# KiCad board Rogelio Pineda - connect 7 AMLDC-2044B.kicad_pcb (continued)
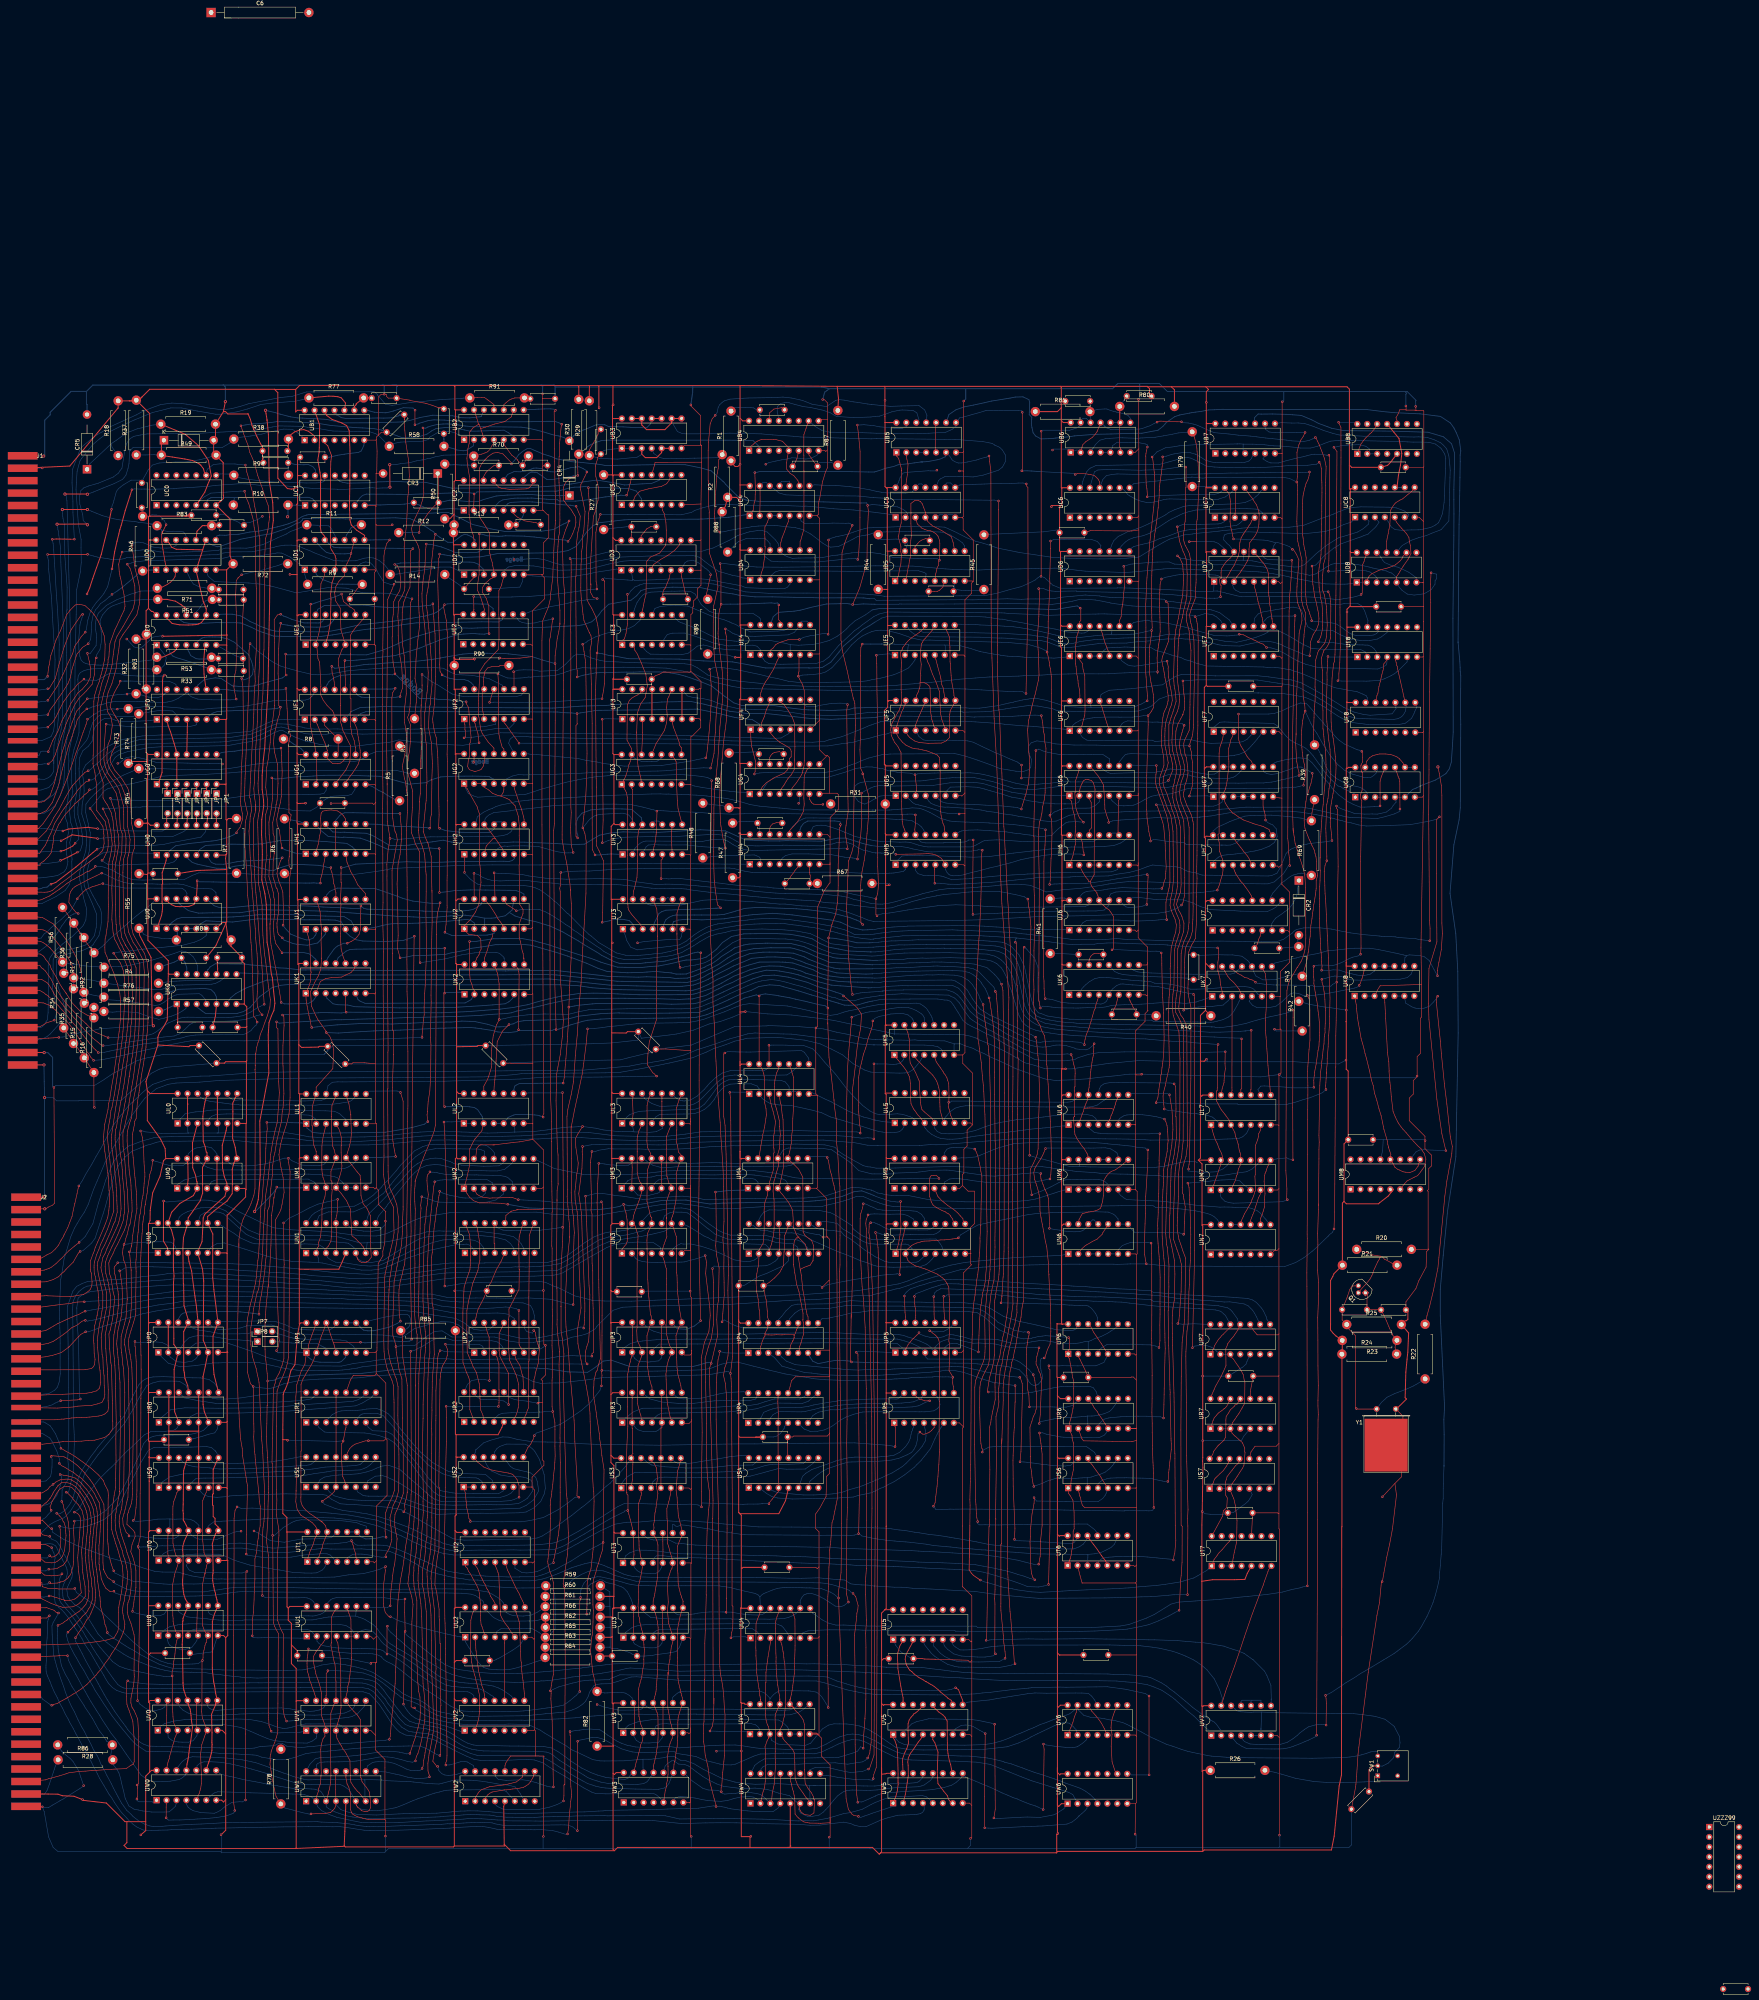
[diagram p0: board, top side]
## Routing (per net, layer and track width the routed paths; a pad name or vN(x,y) marks a point on that pad's centre or on a via; arc(x,y) is an arc through that point) (continued)
~{INTP OUT}: length 76.9
  Top w0.15: J1.95 79.98,242.47 80.42,242.54 82.39,242.65 ; 85.07,242.73 v1(84.97,242.83) 84.27,242.79 83.71,242.72 82.3,242.65
  Top w0.25: R55.1 105.58,269 108.53,263.25 108.86,246.13 109.13,245.85 ; 109.13,245.85 v2(109.13,245.8) 109.18,245.8 109.13,245.85 ; 115.15,268.24 115.23,268.24
  Bottom w0.15: v2(109.13,245.8) 108.91,246.03 108.22,245.84 107.14,245.75 106.24,245.68 104.8,245.67 95.54,245.05 93.77,244.64 90.65,244.14 88.44,243.49 86.02,242.92 84.97,242.89 v1(84.97,242.83) ; 113.12,268.1 114.65,268.1 R84.1 ; 113.12,268.1 111.94,268.13 111.18,268.14 107.93,268.64 106.7,269.16 105.57,270.68 R55.1 ; 113.12,268.1 113.3,268.1 115.15,268.24
  Bottom w0.2: 115.15,268.24 115.26,269.46 ; 115.26,269.46 UJ0.3 ; 115.26,269.46 115.26,267.96 R84.1
~{INTR}: length 152
  Top w0.15: v1(98.99,264.34) 99.74,263.18 100.7,261.85 101.43,259.93 101.72,258.01 101.74,255.52 101.88,253.62 101.74,251.09 101.65,249.53 101.45,245.46 101.35,244.27 101.23,242.82 100.9,240.45 100.5,236.88 100.29,236 100.17,234.8 99.64,231.14 99.15,228.12 98.92,226.96 98.58,225.02 98.29,224.18 98.07,222.22 97.88,221.24 97.43,218.63 97.34,217.66 97.64,214.85 98,211.69 98.31,207.89 98.84,203.24 99.02,198.51 97.9,195.21 97.39,193.8 96.76,192.36 96.21,191.09 95.64,189.95 95.21,188.66 94.64,187.35 94.04,185.37 93.99,184.6 93.98,184.15 94.02,182.6 94.31,181.68 94.79,178.85 95,178.02 95.12,176.31 ; J2.29 76.97,157.92 91.67,157.95 93.32,158.28 93.83,158.74 94.09,159.27 94.24,160.62 94.01,162.1 93.95,164.59 93.81,165.46 94.15,169.2 94.79,171.92 ; 94.74,171.78 95.25,174.41 95.11,176.51
  Bottom w0.15: 122.64,270.61 122.64,269.13 122.62,268.81 121.19,267.8 119.61,267.14 116.42,266.33 115.23,266.23 111.14,265.79 106.63,265.38 103.27,264.92 101.33,264.71 100.38,264.64 v1(98.99,264.34)
~{MSKO}: length 119.6
  Top w0.15: 93.92,325.27 93.92,328.71 94.15,330.28 94.76,332.34 95.34,333.77 95.6,335.06 95.81,335.57 96.07,336.67 96.2,337.13 96.64,339.22 96.71,339.55 96.81,343.14 96.58,345.37 96.29,346.15 95.78,347.5 94.97,349.3 93.94,350.91 92.81,352.09 ; v1(82.11,335.06) 82.37,337.36 82.52,338.01 82.93,340.38 83.41,341.72 84.25,344.3 85.41,346.72 86.96,350.78 87.87,351.98 ; 87.8,351.88 89.17,353.27 89.62,353.39 90.29,353.45 91.65,353.12 92.85,352.06 ; v1(96,288.04) 96.23,288.04 96.59,288.85 97.4,290.51 97.59,291.64 97.59,293.18 97.47,294.91 97.02,296.88 96.81,298 94.75,300.66 94.66,300.76 94.66,303.55 94.61,303.59 94.61,305.22 94.66,305.27 94.66,307.31 94.41,308.64 94.19,310.51 93.81,312.08 93.68,312.76 93.73,312.8 93.73,314.76 93.77,314.97 93.88,321.42 93.79,322.82 93.92,325.59
  Bottom w0.15: v1(82.11,335.06) 81.71,334.66 ; UH0.3 115.07,288.35 114.39,287.67 113.12,287.28 108.17,287.16 101.18,286.9 100.67,286.78 99.28,286.9 97.5,287.03 96.61,287.54 v1(96,288.04)
  Bottom w0.25: v1(82.11,335.06) 81.27,334.22 J1.38
~{REC DCH REQ}: length 61.9
  Top w0.15: UE1.9 160.59,350.92 160.59,351.95 159.57,352.71 159.28,352.78 158.39,353.63 157.73,354.12 v1(157.24,356.06) 157.2,356.03 ; 149.24,353.66 149.3,353.61 v1(149.35,353.5) 149.27,330.44 149.47,329.91 149.3,329.74 149.24,322.79 149.47,321.33 149.9,319.23 150.41,317.24 UG1.13 150.82,313.97 150.92,308.3 150.63,308.01 UG1.2
  Bottom w0.2: v1(157.24,356.06) 155.36,355.28 153.45,354.69 151.82,354.23 150.46,353.77 149.77,353.5 v1(149.35,353.5)
~{REC INT REQ}: length 51
  Bottom w0.2: 112.48,270.61 113.92,272.24 115.12,273.07 116.43,273.47 126.44,273.51 128.24,273.56 129.55,273.6 132.18,273.81 135.91,274.15 144.32,274.19 153.04,273.82 157.82,273.72 159.7,272.55 UJ1.6
~{RESET}: length 1318.4
  Top w0.15: UV6.13 344.94,70.46 344.49,69.33 344.08,67.9 343.58,66.62 UV6.1 ; 264.25,97.04 264.12,95.96 264.03,95.45 263.84,95.11 263.5,94.28 263.13,93.11 263.07,88.58 263.06,86.88 263.1,86.31 263.09,84.93 263.24,82.56 263.29,81.58 263.32,81.55 263.28,80.61 263.55,78.64 263.87,76.55 263.95,76.1 264.08,74.82 264.18,74.36 264.26,73.8 ; 281.45,246.64 281.76,237.8 282.31,233.26 283.05,226.74 ; 202.51,244.69 v1(202.45,244.79) 202.59,258.72 202.5,259.6 202.28,260.47 UK2.9 201.43,261.45 ; 154.75,337.65 v1(154.71,337.61) 154.79,336.1 155.18,334.55 155.46,332.89 UF1.11 ; 282.49,271.61 283.49,274.42 283.92,277.32 ; 264.26,73.8 264.28,73.66 264.12,72.78 ; 264.26,73.8 264.26,72.67 UV4.13 ; v1(218.29,99.81) 218.29,99.17 218.08,98.96 218.02,80.05 v1(218.08,75.79) ; 152.07,269.23 152.08,271 152,271.08 151.73,274.98 151.11,277.07 UJ1.13 ; 212.97,348.67 213.02,348.37 213.02,351.82 212.42,359.51 212.32,362.82 212.32,364.77 212.51,368.13 212.6,369.52 212.67,370.63 212.9,371.7 213.02,375.1 213,376.54 213.04,380.36 212.9,382.01 212.79,384.58 212.72,387.75 212.81,391.18 212.88,391.25 212.93,394.47 213.02,395.44 213.32,398.73 v1(213.48,399.44) ; 281.45,246.24 281.45,248.22 281.48,248.25 v1(281.48,250.33) 281.43,251.45 v1(281.65,268.24) 282.53,271.73 ; UM4.13 263.89,212.2 264.38,215.31 264.65,216.75 264.85,218 265.29,219.85 265.62,222.03 265.77,223.03 265.67,224.63 265.3,226.21 265.3,231.85 265.2,232.92 265.1,233.52 264.74,234.6 UL4.13 263.91,253.29 263.91,253.29 v1(263.91,253.43) 263.77,253.43 263.7,253.5 ; UM1.13 150.73,213.74 150.73,213.75 150.13,215.35 149.7,218.65 149.78,220.2 149.66,220.33 149.66,221.89 149.81,222.04 149.72,222.12 149.72,225.05 150.05,226.27 UL1.13 150.73,230.12 154.98,234.86 155.23,239.63 154.98,240.66 155.15,240.93 154.2,243.13 153.36,244.02 v1(153.3,244.08) 153.36,244.13 153.36,244.27 151.13,247.44 150.56,248.55 149.53,250.83 149.29,254.54 150.35,256.85 151.27,258.53 151.92,260.29 152.09,263.06 152.11,263.08 151.97,267.77 152.08,269.48 ; 213.02,348.44 212.72,346.44 212.32,344.68 211.79,340.33 v1(211.77,338.31) 211.81,338.26 211.81,323.74 211.7,302.59 211.65,301.66 211.61,297.42 211.42,295.68 211.58,266.49 211.56,265.27 211.67,257.53 v1(212.05,244.82) ; 148.74,86.6 v1(148.74,86.66) 148.59,85.17 148.56,84.89 148.44,84.34 148.39,82.96 148.42,82.08 148.44,81.32 148.56,80.74 148.76,80.12 148.89,79.59 149.04,78.71 149.53,77.53 149.72,76.82 150.04,76.06 150.35,75.14 150.49,74.65 150.71,73.42 ; UK7.4 386.61,255.09 385.66,256.28 385.17,256.88 384.25,257.69 383.65,258.47 383.44,258.82 382.97,259.64 UK7.13 ; 283.91,277.24 284.07,279.3 284.12,281.73 284.12,287.15 284.22,288.7 284.39,293.51 284.46,295.08 284.51,296.46 284.67,296.62 v1(284.67,297.21) ; v1(175.97,399.29) 175.97,402.99 v1(176,403.03) ; 289.38,43.92 289.35,43.92 v1(289.3,43.87) 289.25,43.92 288.12,44.12 287.64,44.45 286.73,45.63 286.14,48.4 v1(284.21,99.65) 284.12,100.63 284.34,102.43 284.85,106.11 285.01,118.72 284.43,172.03 284.48,172.56 284.48,183.09 284.58,184.73 284.55,189.85 284.58,192.25 284.55,204.87 284.42,205.56 284.02,212.87 283.7,215.99 283.7,221.19 283.11,225.59 283.05,226.9
  Top w0.2: UV5.1 298.16,63.94 298.56,63.4 298.97,62.16 299.27,60.81 299.43,54.71 299.4,52.92 299.41,52.58 299.45,52.12 299.23,50.44 299.02,49.62 298.87,49.07 UW5.1
  Bottom w0.15: 326.1,267.13 326.09,267.14 ; 326.09,267.14 327.01,266.8 328.4,266.01 330.27,263.98 331.69,261 332.07,259.2 332.88,255.42 333.2,253.66 333.87,251.26 334.64,249.88 335.26,249.1 335.95,248.93 337.5,248.3 341.14,247.76 342.48,247.63 343.26,247.48 364.22,247.22 364.26,247.26 364.64,246.88 366.07,246.88 368.93,246.86 375.88,246.77 379.18,246.7 ; 326.09,267.14 322.88,267.42 321.22,267.52 320.26,267.6 317.78,267.71 316.86,267.69 316.35,267.75 304.69,267.75 304.67,267.77 303.11,267.68 298.84,267.47 297.69,267.47 296.45,267.38 295.17,267.23 294.34,267.14 292.94,267.04 ; v1(284.21,99.65) 283.13,100.57 282.09,101.17 279.88,102.04 276.88,102.24 276,102.23 274.86,102.27 270.88,102.36 270.33,102.33 268.59,102.12 267.34,101.7 265.72,101.05 265.1,100.76 264.69,100.55 264.11,99.95 ; v1(148.74,86.66) 149.39,86.39 150.21,86.34 150.64,86.34 151.63,86.33 154.27,86.19 155.25,85.99 156.37,85.8 157.55,85.71 160.9,85.41 162.24,85.46 163.07,85.45 164.12,85.46 165.07,85.41 166.16,85.22 167.35,84.69 167.44,84.56 167.97,83.96 168.77,83.42 170.22,82.74 171.45,81.9 172.43,81.16 173.78,80.08 175.04,79.11 175.5,78.72 176.02,78.34 177.67,77.14 178.71,76.28 179.79,75.58 182.39,73.88 183.97,72.77 185.03,72.08 186.47,71.35 187.29,71.03 188.32,70.78 190.64,70.68 190.69,70.72 200.36,70.61 203.78,70.82 208.4,71.38 209.72,71.58 211.2,71.73 213.94,72.3 214.98,73 215.6,73.46 216.85,74.53 217.17,74.75 217.69,75.36 v1(218.08,75.79) ; v1(289.3,43.87) 289.78,43.57 290.82,43.97 291.95,44.35 292.77,44.67 296.38,45.86 297.69,46.3 UW5.1 ; UV5.1 298.9,63.67 299.6,62.87 301.13,62.19 306.1,61.99 307.69,61.99 310.62,62.12 316.45,62.06 321.37,62.21 323.18,62.47 324.16,62.69 325.91,63.18 328,63.97 329.46,64.65 331.05,65.27 332.74,66.02 334,66.51 335.74,67.34 337.32,67.88 338.82,68.49 340.12,68.92 340.98,69.24 343.27,70.07 344.41,70.98 344.7,71.28 UV6.13 345.45,71.08 346.87,69.69 348.57,69.19 350.39,69.1 352.19,68.81 353.75,68.48 354.86,68.35 355.57,68.14 356.83,67.84 357.94,67.34 358.52,67.04 359.79,66.38 360.55,65.96 361.64,65.42 362.34,65.01 363.82,64.2 365.21,63.57 368.01,62.28 369.64,61.78 371.93,60.95 373.42,60.51 374.58,60.24 375.84,59.97 378.43,59.44 379.45,59.28 383.4,58.98 384.33,58.96 386.74,58.87 405.21,58.73 412.61,58.88 414.87,59.04 416.4,59.28 417.77,59.59 419.05,59.95 420.08,60.33 421.35,60.55 421.83,60.36 SW1.3 ; 379.18,246.7 379.99,246.74 380.92,246.97 382.42,247.36 383.81,248.02 384.53,248.63 385.29,249.63 385.5,250.06 386.22,251.29 386.57,252.09 UK7.4 ; 379.18,246.7 379.39,246.69 ; v1(218.29,99.81) 218.29,100.74 218.38,101.7 218.83,102.81 219.18,103.49 219.88,104.24 220.66,104.59 221.26,104.8 222.51,105.08 223.44,105.06 226.15,104.47 228.32,103.88 229.05,103.7 230.18,103.32 231.31,103.09 233.3,102.8 233.74,102.79 235.62,102.79 237.2,102.75 242.31,102.77 244.11,102.78 245.14,102.78 253.45,102.77 256.35,102.37 258.06,101.93 260.2,101.42 262.93,100.81 263.61,100.47 264.11,99.96 264.25,97.04
  Bottom w0.2: 157.44,337.3 155.5,337.11 v1(154.71,337.61) ; v1(175.97,399.29) 176.82,399.52 177.09,399.69 177.97,399.94 ; 163.02,402.99 163.87,402.99 164.48,402.79 165.61,402.49 167.6,402.39 168.46,402.36 168.88,402.39 170.47,402.81 172.99,403.66 175.46,403.57 v1(176,403.03) ; v1(284.67,297.21) 284.67,297.8 284.5,297.97 283.18,298.12 276.34,298.09 275.26,297.49 274.62,296.61 274.36,295.89 UH4.11 ; v1(213.48,399.44) 212.76,399.8 211.68,400.18 207.9,400.16 205.3,400.07 188.96,400.04 187.36,400.22 186.8,400.27 184.87,400.37 183.46,400.5 182.3,400.51 180.85,400.55 179.34,400.36 177.76,399.88 ; v1(211.77,338.31) 208.61,339.19 205.7,340.13 199.89,340.78 198.88,340.87 196.42,340.87 194.38,340.94 192.59,340.94 191.86,340.95 189.85,340.86 188.17,340.72 183.72,339.96 180.57,339.39 175.16,338.77 170.19,338.55 168.09,338.41 165.98,338.18 164.08,338.13 162.83,338.02 161.06,337.71 159.19,337.53 158.53,337.43 157.86,337.29 156.97,337.29 ; v1(153.3,244.08) 156.38,243.94 159.12,244.13 165.36,244.48 166.15,244.52 170.14,244.66 171,244.66 172.24,244.7 182.09,245.17 183.8,245.21 190.13,245.36 191.35,245.25 192.92,245.03 195.76,244.6 197.18,244.22 199.91,244.04 202.03,244.32 v1(202.45,244.79) 202.62,244.62 210.3,244.62 210.91,244.58 211.5,244.82 v1(212.05,244.82) 212.78,244.96 214.34,245.53 215.86,246.07 218.87,246.95 220.13,247.22 223.46,247.51 225.63,247.61 231.28,247.61 231.32,247.65 237,247.73 239.29,247.74 243.43,247.83 245.91,247.85 247.88,247.98 248.7,248.16 250.55,248.63 253.66,249.95 255.78,250.76 258.42,251.97 260.12,252.85 261.48,253.21 262.38,253.48 263.2,253.7 v1(263.91,253.43) 264.38,253.74 264.66,253.82 265.53,253.94 268.52,253.55 268.95,253.44 271.77,252.95 273.17,252.6 276.1,251.96 279.1,251.21 280.74,250.93 281.24,250.57 v1(281.48,250.33) ; v1(281.65,268.24) 283.22,268.13 284.88,267.84 286.54,267.56 288.89,267 292.1,266.99 292.94,267.04
~{RQENB}: length 232.5
  Top w0.15: 101.35,284.86 101.48,288.22 102.01,289.94 102.13,292.12 102.14,293.69 101.89,295.29 101.58,296.24 101.56,299.76 101.49,300.48 101.48,302.04 100.33,306.13 99.77,307.2 97.57,310.2 96.93,311.79 96.57,313.07 96.5,313.7 96.48,315.13 96.52,316.3 96.94,322.16 v1(97.08,322.85) ; 101.36,284.96 101.56,271.51 101.58,271.3 101.84,269.41 102.61,267.5 104.55,264.01 105.67,261.67 105.56,248 105.55,247.92 105.43,244.6 105.37,243.82 105.11,241.12 104.98,240.09 104.48,236.15 104.14,233.42 103.84,231.44 103.62,230.26 102.94,226.22 102.64,224.05 101.75,219.96 101.36,218.45 101.35,217.64 101.39,214.96 101.71,212.95 101.76,212.38 101.82,211.56 102.25,205.65 102.48,203.93 102.74,198.46 102.54,197.06 102.21,194.96 101.71,193.56 100.57,191.22 99.94,189.91 99.35,188.88 98.81,187.57 98.17,186.38 97.74,185.23 97.89,182.56 98.29,181.5 98.87,177.79 99.17,176.67 99.15,175.16 98.89,172.39 98.72,170.93 98.12,168.09 97.78,167.1 97.97,163.29 98.27,159.7 98.43,158.97 98.64,150.01 98.64,149.26 98.74,144.81 98.76,144.85 98.77,142.9 97.78,141.45 96.7,140.68 94.12,139.95 92.49,139.91 90.77,139.71 89.5,139.69 89.12,139.63 86.04,139.6 80.75,138.92 77.49,139.39 J2.41
  Bottom w0.15: v1(97.08,322.85) 97.88,322.64 100.83,322.41 103.21,322.19 104.9,322.05 109.07,322.12 111.93,322.25 117.84,322.22 117.85,322.21 118.53,322.24 119.73,322.53 119.99,322.62 120.19,322.71 120.2,323.2 UF0.5
~{SELB}: length 74.1
  Top w0.15: v1(89.94,274.47) 89.3,274.84 88.9,275.32 88.43,275.85 87.54,277.32 87.65,278.98 87.8,279.49 88.01,280.08 88.36,280.58 88.51,280.84 89.12,281.34 89.4,281.51 92.67,283.24 94.48,284.08 v1(95.94,284.8) ; UB5.10 308.98,398.67 308.91,393.49 UB5.5
  Bottom w0.15: UJ0.8 125.12,279.8 125.12,279.86 124.09,280.74 121.95,280.9 119.73,280.91 116.77,281.88 115.46,282.02 114.71,282.03 113.18,282 111.17,281.96 110.17,281.98 108.81,282.04 103.47,282.01 101.43,282.47 99.42,283.19 96.98,284.42 v1(95.94,284.8) ; J1.82 79.44,264.37 82.35,266.61 83.28,267.61 84.3,269.1 84.75,269.71 85.73,271.31 86.47,272.28 86.78,272.77 87.86,273.85 88.73,274.34 88.84,274.38 v1(89.94,274.47)
~{SELD}: length 50
  Top w0.15: v1(96.24,282.1) 96.03,282.1 95.03,281.78 94.4,281.55 93.49,281.32 93.18,281.15 91.86,280.56 91.25,280.01 90.58,279.34 89.69,278.3 v1(89.69,278.22)
  Bottom w0.15: v1(89.69,278.22) 89.46,277.7 89.04,276.98 88.83,276.58 88.03,275.25 87.78,274.93 86.93,274.28 85.61,272.99 83.82,271.51 83.58,271.31 83.03,270.87 81.85,269.68 81.24,269.29 80.46,268.21 J1.80 ; 117.56,278.23 117.72,279.62 117.28,280.34 116.86,280.66 116.61,280.84 116.44,280.92 101.74,280.98 100.1,281.34 98.76,281.51 97.53,281.78 v1(96.24,282.1)
~{XMT_DCH_REQ}: length 279.7
  Top w0.15: 189.89,267.39 189.89,267.35 v1(189.93,267.32) 189.89,267.29 189.89,259.8 190.1,257.34 190.47,256.52 190.78,255.39 191.16,254.74 191.17,254.73 UK2.2 ; 389.63,244.83 389.61,244.81 389.61,244.7 v1(389.66,244.65) 389.61,244.6 389.61,229.58 389.54,229.51 UL7.10
  Bottom w0.15: 376.14,244.34 375.39,244.41 365.59,244.91 358.46,244.93 356.46,244.89 350.67,245.09 349.53,245.15 345.77,245.43 344.62,245.55 344.16,245.54 343.49,245.64 341.04,245.76 339.79,246.01 336.99,246.45 336.04,246.86 334.73,247.39 334.27,247.55 333.79,247.94 332.78,248.8 332.19,249.89 331.83,250.72 331.35,252.58 330.92,254.65 330.52,256.58 330.14,258.25 329.86,258.94 329.36,260.28 328.72,261.57 327.89,262.76 326.51,264.17 325.05,264.8 324.13,264.96 323.19,265.06 322.47,265.1 320.84,265.28 319.49,265.41 319.14,265.48 316.19,265.48 316.12,265.55 312.9,265.55 312.88,265.57 311.28,265.57 311.22,265.63 309.59,265.57 306.81,265.62 300.47,265.39 298.51,265.24 297.45,265.11 297,265.02 294.37,264.74 293.67,264.67 292.32,264.67 ; 376.14,244.34 378.94,244.16 381.72,244.17 386.3,244.34 386.96,244.39 388.07,244.48 ; 376.14,244.34 376.38,244.32 ; 388.33,244.49 388.07,244.48 ; 388.07,244.48 389.29,244.62 v1(389.66,244.65)
  Bottom w0.2: UK2.2 190.33,252.47 188.77,251.63 177.77,251.61 170.54,251.56 164.46,251.53 163.24,251.53 161.95,252.09 161.43,252.47 UK1.6 ; v1(189.93,267.32) 191.31,267.29 192.67,267.54 194.42,267.77 195.9,268.03 203.35,268.08 204.47,267.88 206.71,267.45 207.7,267.14 210.18,266.47 214.09,265.15 221.08,262.96 223.46,262.06 224.65,261.68 227.75,260.77 231.72,260.69 233.77,260.67 236.06,260.93 238.25,261.08 241.57,261.72 242.69,261.99 243.53,262.24 245.25,262.6 246.58,262.61 249.18,262.94 250.36,263.33 251.13,263.86 253.05,265.38 254.52,267.04 256.83,268.59 259.99,269.28 261.66,269.31 267.61,269.38 271.83,269.17 275.33,268.55 277.46,268.02 279.38,266.85 281.58,265.91 284.23,265.4 286.75,264.9 292.58,264.66
~{XMT_DCH_SEL}: length 76.8
  Top w0.15: 155.71,307.73 158.32,311.12 159.34,313.24 159.57,317.21 158.35,319.59 157.96,320.42 157.58,321.16 157.19,322.7 156.92,323.48 156.92,327.58 156.91,327.58 156.92,328 156.92,334.83 157,334.91 156.49,337.76 156.49,339.68 157.29,341.8 UE1.5 157.55,345.33 157.06,346.86 156.87,352.47 155.69,354.33 155.46,356.35 155.72,357.89 156.55,359.33 158,360.78 UD1.5 158.6,363.82 159.41,365.49 v1(159.62,366.42) UD1.9
  Bottom w0.2: v1(159.62,366.42) 158.68,366.37 158.07,366.33 156.9,366.33 154.79,366.4 154.39,366.43 153.37,366.7 152.88,367.12 152.14,367.77 151.4,368.63 UD1.13
~{XMT_DCHO}: length 135.8
  Top w0.15: v1(171.03,212.41) 170.72,214.03 170.52,215.18 170.37,216.21 170.17,217.44 170.17,228.51 170.19,230.11 170.49,238.39 170.46,238.42 170.46,244.49 170.21,244.74 170.21,264.32 170.25,264.37 170.11,285.53 171.46,293.22 171.24,294.67 170.86,295.53 170.5,297.18 170.31,298.84 170.16,299.98 170.21,300.02 170.21,313.39 170.15,314.06 170.12,314.55 170.07,322.13 170.07,329.47 170.29,330.86 v1(170.93,332.01)
  Bottom w0.2: UF1.8 163.26,331.8 169.72,331.8 170.14,331.81 v1(170.93,332.01) ; v1(171.03,212.41) 167.21,212.19 UM1.8

## Text on the board
Bottom: Bodge
User.Comments: Rework Wire / Here | B C D E | T  U  V W | F G H J  K | P R S | L M N | F G H J K | L  M N | 0   1   2   3   4   5   6   7   8
User.Drawings: Bodge
